# Altium PCB SG1.PcbDoc (part 2 of 3) (continued)
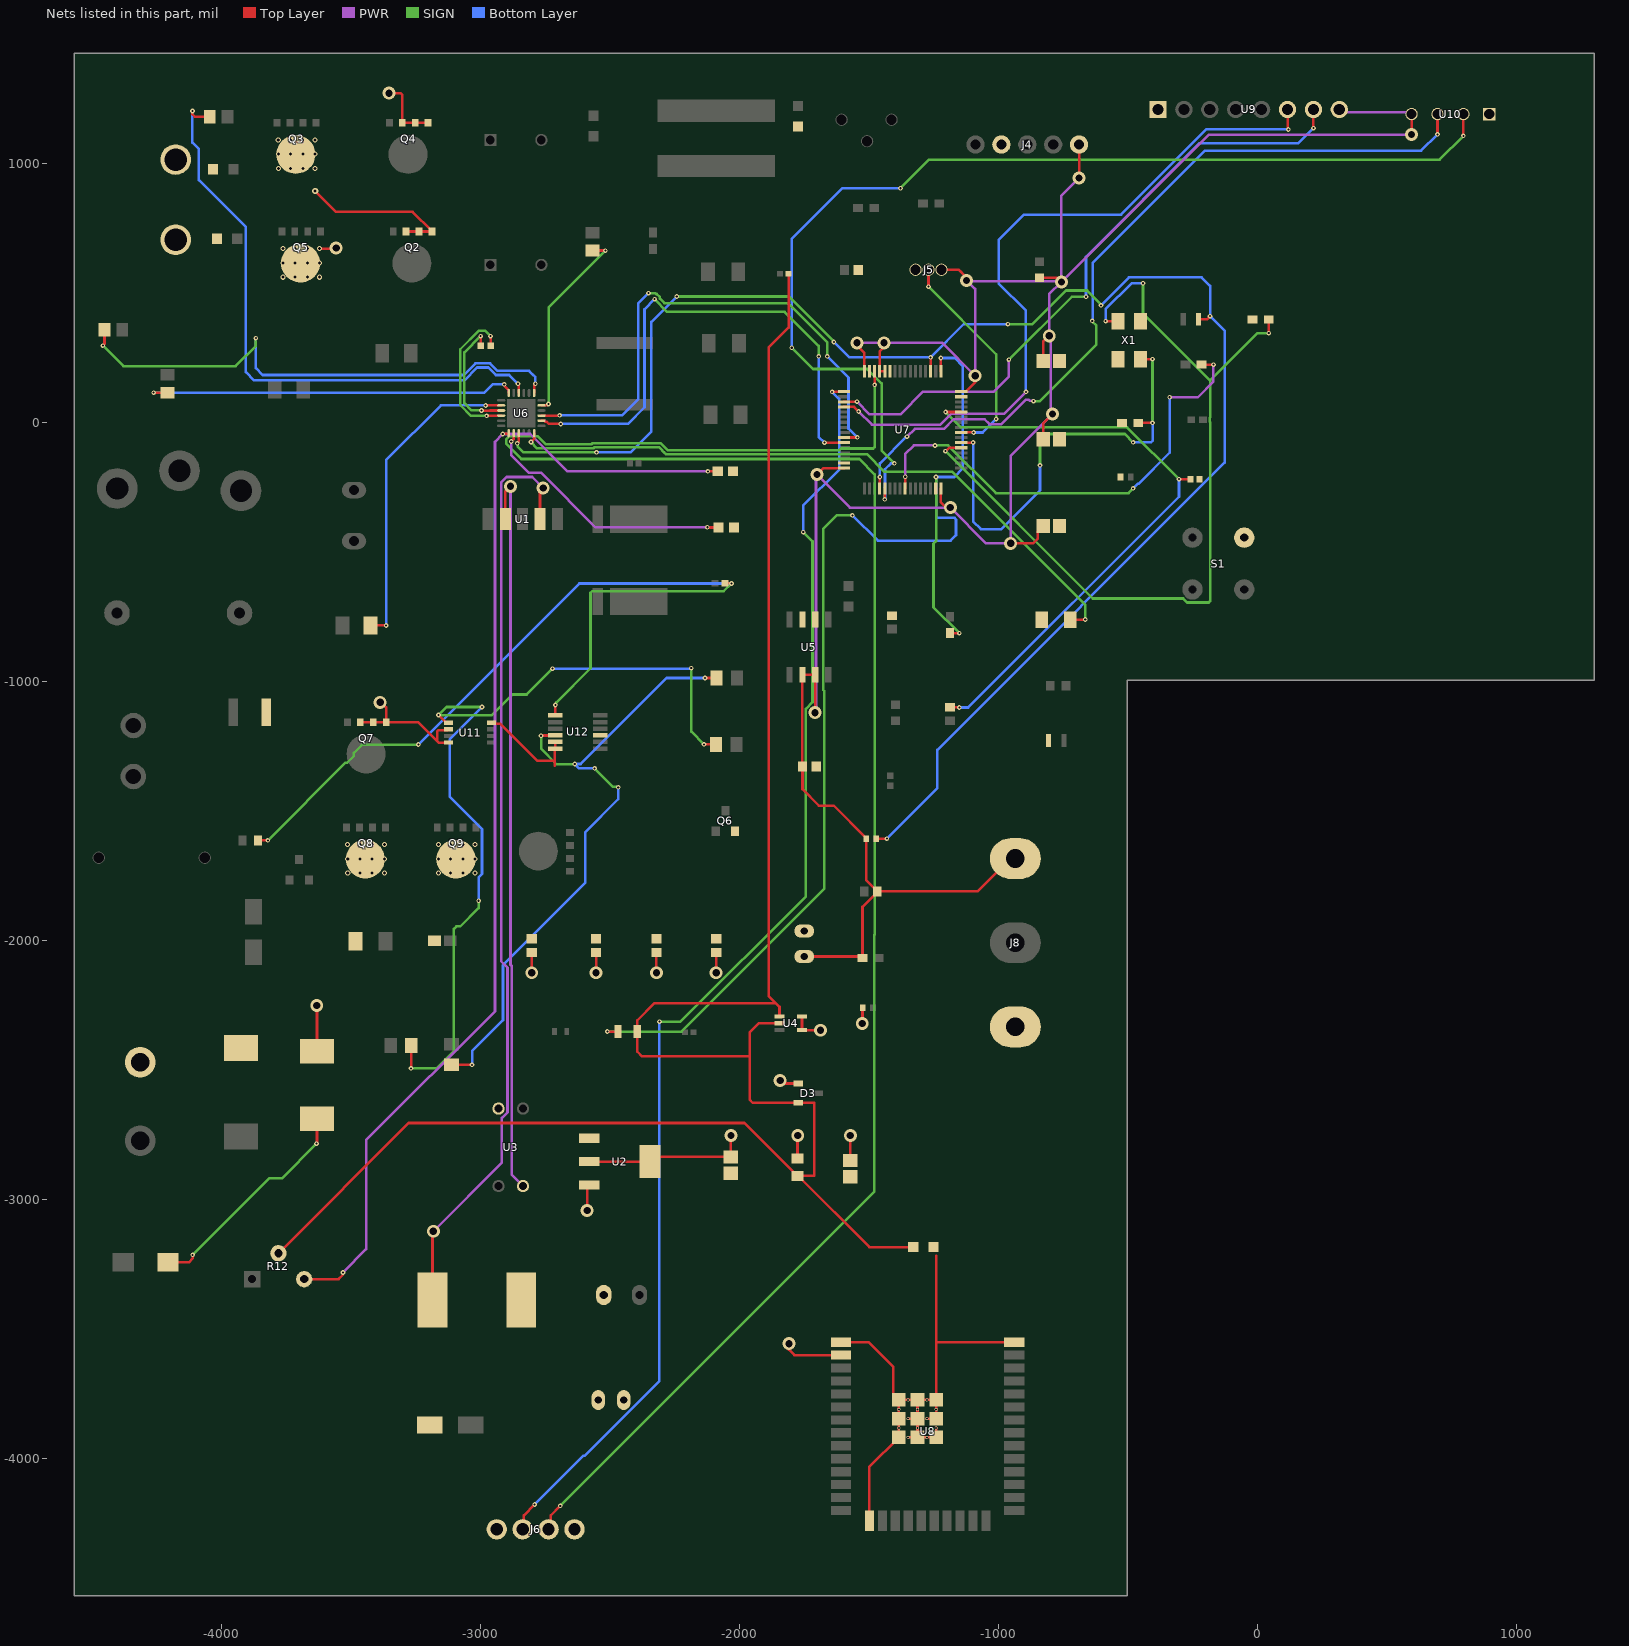
[diagram p6: the nets of this part, all layers, seen from the top]
## Part data (continued)
R2: library part CRCW040213K3FKED, "CRCW FIXED RESISTOR 0402 (1005Metric) Chip Resistor ±1% ±100ppm/C 13.3kOhm 0.063W 1/16W", Case Code (Imperial)=0402, Manufacturer=Vishay, Max Operating Temperature=155°C, Max Power Dissipation=63mW, Min Operating Temperature=-55°C, Supplier Part Number=4139115, Temperature Coefficient=100ppm/°C, Tolerance=1%, Voltage Rating=50V, Case/Package=0402, Category="Chip SMD Resistors", China RoHS=Non-Compliant, ComponentLink1Description=https://datasheet.octopart.com:443/CRCW040213K3FKED-Vishay-datasheet-175423584.pdf?src-supplier=IHS, ComponentLink1URL=https://datasheet.octopart.com:443/CRCW040213K3FKED-Vishay-datasheet-175423584.pdf?src-supplier=IHS, ComponentLink2Description=https://datasheet.octopart.com:443/CRCW040213K3FKED-Vishay-datasheet-190005712.pdf?src-supplier=TME, ComponentLink2URL=https://datasheet.octopart.com:443/CRCW040213K3FKED-Vishay-datasheet-190005712.pdf?src-supplier=TME, ComponentLink3Description=https://datasheet.octopart.com:443/CRCW040213K3FKED-Vishay-datasheet-83961561.pdf?src-supplier=Farnell, ComponentLink3URL=https://datasheet.octopart.com:443/CRCW040213K3FKED-Vishay-datasheet-83961561.pdf?src-supplier=Farnell, ComponentLink4Description=https://datasheet.octopart.com:443/CRCW040213K3FKED-Vishay-datasheet-62317933.pdf?src-supplier=Farnell, ComponentLink4URL=https://datasheet.octopart.com:443/CRCW040213K3FKED-Vishay-datasheet-62317933.pdf?src-supplier=Farnell, ComponentLink5Description=https://datasheet.octopart.com:443/CRCW040213K3FKED-Vishay-datasheet-14722531.pdf?src-supplier=Farnell, ComponentLink5URL=https://datasheet.octopart.com:443/CRCW040213K3FKED-Vishay-datasheet-14722531.pdf?src-supplier=Farnell, ComponentLink6Description=https://datasheet.octopart.com:443/CRCW040213K3FKED-Vishay-datasheet-5300368.pdf?src-supplier=Farnell, ComponentLink6URL=https://datasheet.octopart.com:443/CRCW040213K3FKED-Vishay-datasheet-5300368.pdf?src-supplier=Farnell, ComponentLink7Description=https://datasheet.octopart.com:443/CRCW040213K3FKED-Vishay-datasheet-66077789.pdf?src-supplier=Newark, ComponentLink7URL=https://datasheet.octopart.com:443/CRCW040213K3FKED-Vishay-datasheet-66077789.pdf?src-supplier=Newark, ComponentLink8Description=https://datasheet.octopart.com:443/CRCW040213K3FKED-Vishay-datasheet-11516975.pdf?src-supplier=Newark, ComponentLink8URL=https://datasheet.octopart.com:443/CRCW040213K3FKED-Vishay-datasheet-11516975.pdf?src-supplier=Newark, ComponentLink9Description=https://datasheet.octopart.com:443/CRCW040213K3FKED-Vishay-datasheet-41302739.pdf?src-supplier=Newark, ComponentLink9URL=https://datasheet.octopart.com:443/CRCW040213K3FKED-Vishay-datasheet-41302739.pdf?src-supplier=Newark, ComponentLink10Description=https://datasheet.octopart.com:443/CRCW040213K3FKED-Vishay-datasheet-33013972.pdf?src-supplier=Newark, ComponentLink10URL=https://datasheet.octopart.com:443/CRCW040213K3FKED-Vishay-datasheet-33013972.pdf?src-supplier=Newark, ComponentLink11Description=https://datasheet.octopart.com:443/CRCW040213K3FKED-Vishay-datasheet-21226360.pdf?src-supplier=Newark, ComponentLink11URL=https://datasheet.octopart.com:443/CRCW040213K3FKED-Vishay-datasheet-21226360.pdf?src-supplier=Newark, ComponentLink12Description=https://datasheet.octopart.com:443/CRCW040213K3FKED-Vishay-datasheet-10882403.pdf?src-supplier=element14+APAC, ComponentLink12URL=https://datasheet.octopart.com:443/CRCW040213K3FKED-Vishay-datasheet-10882403.pdf?src-supplier=element14+APAC, ComponentLink13Description=https://datasheet.octopart.com:443/CRCW040213K3FKED-Vishay-datasheet-137113250.pdf?src-supplier=X-ON, ComponentLink13URL=https://datasheet.octopart.com:443/CRCW040213K3FKED-Vishay-datasheet-137113250.pdf?src-supplier=X-ON, ComponentLink14Description=https://datasheet.octopart.com:443/CRCW040213K3FKED-Vishay-datasheet-62316122.pdf?src-supplier=Future+Electronics, ComponentLink14URL=https://datasheet.octopart.com:443/CRCW040213K3FKED-Vishay-datasheet-62316122.pdf?src-supplier=Future+Electronics, ComponentLink15Description=https://datasheet.octopart.com:443/CRCW040213K3FKED-Vishay-datasheet-12519820.pdf?src-supplier=Future+Electronics, ComponentLink15URL=https://datasheet.octopart.com:443/CRCW040213K3FKED-Vishay-datasheet-12519820.pdf?src-supplier=Future+Electronics, ComponentLink16Description=https://datasheet.octopart.com:443/CRCW040213K3FKED-Vishay-Dale-datasheet-47688880.pdf?src-supplier=RS+(Formerly+Allied+Electronics), ComponentLink16URL=https://datasheet.octopart.com:443/CRCW040213K3FKED-Vishay-Dale-datasheet-47688880.pdf?src-supplier=RS+(Formerly+Allied+Electronics), ComponentLink17Description=https://datasheet.octopart.com:443/CRCW040213K3FKED-Vishay-datasheet-12001583.pdf?src-supplier=RS+(Formerly+Allied+Electronics), ComponentLink17URL=https://datasheet.octopart.com:443/CRCW040213K3FKED-Vishay-datasheet-12001583.pdf?src-supplier=RS+(Formerly+Allied+Electronics), ComponentLink18Description=https://datasheet.octopart.com:443/CRCW040213K3FKED-Vishay-datasheet-5306405.pdf?src-supplier=RS+(Formerly+Allied+Electronics), ComponentLink18URL=https://datasheet.octopart.com:443/CRCW040213K3FKED-Vishay-datasheet-5306405.pdf?src-supplier=RS+(Formerly+Allied+Electronics), ComponentLink19Description=https://datasheet.octopart.com:443/CRCW040213K3FKED-Vishay-datasheet-11540273.pdf?src-supplier=Arrow+Electronics, ComponentLink19URL=https://datasheet.octopart.com:443/CRCW040213K3FKED-Vishay-datasheet-11540273.pdf?src-supplier=Arrow+Electronics, ComponentLink20Description=https://datasheet.octopart.com:443/CRCW040213K3FKED-Vishay-datasheet-8445837.pdf?src-supplier=element14, ComponentLink20URL=https://datasheet.octopart.com:443/CRCW040213K3FKED-Vishay-datasheet-8445837.pdf?src-supplier=element14, ComponentLink21Description=https://datasheet.octopart.com:443/CRCW040213K3FKED-Vishay-datasheet-5377255.pdf?src-supplier=Garrett, ComponentLink21URL=https://datasheet.octopart.com:443/CRCW040213K3FKED-Vishay-datasheet-5377255.pdf?src-supplier=Garrett, ComponentLink22Description=https://datasheet.octopart.com:443/CRCW040213K3FKED-Vishay-datasheet-148188.pdf?src-supplier=Garrett, ComponentLink22URL=https://datasheet.octopart.com:443/CRCW040213K3FKED-Vishay-datasheet-148188.pdf?src-supplier=Garrett, ComponentLink23Description=https://datasheet.octopart.com:443/CRCW040213K3FKED-Vishay-datasheet-42367.pdf?src-supplier=Garrett, ComponentLink23URL=https://datasheet.octopart.com:443/CRCW040213K3FKED-Vishay-datasheet-42367.pdf?src-supplier=Garrett, ComponentLink24Description=http://sigma.octopart.com:80/rohs_statement/Vishay-company-15.pdf?src-supplier=Compliance+Statements, ComponentLink24URL=http://sigma.octopart.com:80/rohs_statement/Vishay-company-15.pdf?src-supplier=Compliance+Statements, Composition="Thick Film", Contact Plating=Tin, Depth=500µm, Features="Automotive AEC-Q200", Height=350µm, Lead Free="Lead Free", Length=1mm, Lifecycle Status=Production, Manufacturer Part Number=CRCW040213K3FKED, Military Standard=Not, Mounting Technology="Surface Mount", Number of Terminals=2, Number of Terminations=2, Pins=2, Power Dissipation=63mW, Power Rating=63mW, Pricing="10=0,0192, 100=0,0139, 500=0,0112, 2500=0,0093, 5000=0,0091 (EUR)", Radiation Hardening=No, REACH SVHC=Yes, RoHS=Compliant, Schedule B="8533210045, 8533210045|8533210045|8533210045|8533210045|8533210045|8533210045|8533210045|8533210045|8533210045|8533210045|8533210045|8533210045|8533210045|8533210045|8533210045|8533210045|8533210045|8533210045|8533210045|8533210045|8533210045|8533210045|8533210045|85", Stock=6850, Supplier=Farnell, Termination=SMD/SMT, Voltage Rating (DC)=50V, Weight=652.039032µg, Width=500µm, Working Voltage=50V
R3 R4: library part CRCW04021K00FKED, "Res Thick Film 0402 1K Ohm 1% 1/16W ±100ppm/°C Molded SMD Paper T/R", Case Code (Imperial)=0402, Manufacturer=Vishay, Max Operating Temperature=155°C, Max Power Dissipation=63mW, Min Operating Temperature=-55°C, Supplier Part Number=1469662, Temperature Coefficient=100ppm/°C, Tolerance=1%, Voltage Rating=50V, Case/Package=0402, Category="Chip SMD Resistors", China RoHS=Non-Compliant, ComponentLink1Description=https://datasheet.octopart.com:443/CRCW04021K00FKED-Vishay-datasheet-175423584.pdf?src-supplier=IHS, ComponentLink1URL=https://datasheet.octopart.com:443/CRCW04021K00FKED-Vishay-datasheet-175423584.pdf?src-supplier=IHS, ComponentLink2Description=https://datasheet.octopart.com:443/CRCW04021K00FKED-Vishay-datasheet-83961561.pdf?src-supplier=Newark, ComponentLink2URL=https://datasheet.octopart.com:443/CRCW04021K00FKED-Vishay-datasheet-83961561.pdf?src-supplier=Newark, ComponentLink3Description=https://datasheet.octopart.com:443/CRCW04021K00FKED-Vishay-datasheet-11516975.pdf?src-supplier=Newark, ComponentLink3URL=https://datasheet.octopart.com:443/CRCW04021K00FKED-Vishay-datasheet-11516975.pdf?src-supplier=Newark, ComponentLink4Description=https://datasheet.octopart.com:443/CRCW04021K00FKED-Vishay-datasheet-183883877.pdf?src-supplier=Newark, ComponentLink4URL=https://datasheet.octopart.com:443/CRCW04021K00FKED-Vishay-datasheet-183883877.pdf?src-supplier=Newark, ComponentLink5Description=https://datasheet.octopart.com:443/CRCW04021K00FKED-Vishay-datasheet-41302739.pdf?src-supplier=Newark, ComponentLink5URL=https://datasheet.octopart.com:443/CRCW04021K00FKED-Vishay-datasheet-41302739.pdf?src-supplier=Newark, ComponentLink6Description=https://datasheet.octopart.com:443/CRCW04021K00FKED-Vishay-datasheet-66077789.pdf?src-supplier=element14+APAC, ComponentLink6URL=https://datasheet.octopart.com:443/CRCW04021K00FKED-Vishay-datasheet-66077789.pdf?src-supplier=element14+APAC, ComponentLink7Description=https://datasheet.octopart.com:443/CRCW04021K00FKED-Vishay-datasheet-62317933.pdf?src-supplier=element14+APAC, ComponentLink7URL=https://datasheet.octopart.com:443/CRCW04021K00FKED-Vishay-datasheet-62317933.pdf?src-supplier=element14+APAC, ComponentLink8Description=https://datasheet.octopart.com:443/CRCW04021K00FKED-Vishay-datasheet-14722531.pdf?src-supplier=element14+APAC, ComponentLink8URL=https://datasheet.octopart.com:443/CRCW04021K00FKED-Vishay-datasheet-14722531.pdf?src-supplier=element14+APAC, ComponentLink9Description=https://datasheet.octopart.com:443/CRCW04021K00FKED.-Vishay-datasheet-78776209.pdf?src-supplier=element14+APAC, ComponentLink9URL=https://datasheet.octopart.com:443/CRCW04021K00FKED.-Vishay-datasheet-78776209.pdf?src-supplier=element14+APAC, ComponentLink10Description=https://datasheet.octopart.com:443/CRCW04021K00FKED-Vishay-datasheet-5300368.pdf?src-supplier=Future+Electronics, ComponentLink10URL=https://datasheet.octopart.com:443/CRCW04021K00FKED-Vishay-datasheet-5300368.pdf?src-supplier=Future+Electronics, ComponentLink11Description=https://datasheet.octopart.com:443/CRCW04021K00FKED-Vishay-datasheet-62316122.pdf?src-supplier=Future+Electronics, ComponentLink11URL=https://datasheet.octopart.com:443/CRCW04021K00FKED-Vishay-datasheet-62316122.pdf?src-supplier=Future+Electronics, ComponentLink12Description=https://datasheet.octopart.com:443/CRCW04021K00FKED-Vishay-datasheet-5306405.pdf?src-supplier=RS+(Formerly+Allied+Electronics), ComponentLink12URL=https://datasheet.octopart.com:443/CRCW04021K00FKED-Vishay-datasheet-5306405.pdf?src-supplier=RS+(Formerly+Allied+Electronics), ComponentLink13Description=https://datasheet.octopart.com:443/CRCW04021K00FKED-Vishay-Dale-datasheet-47688880.pdf?src-supplier=RS+(Formerly+Allied+Electronics), ComponentLink13URL=https://datasheet.octopart.com:443/CRCW04021K00FKED-Vishay-Dale-datasheet-47688880.pdf?src-supplier=RS+(Formerly+Allied+Electronics), ComponentLink14Description=https://datasheet.octopart.com:443/CRCW04021K00FKED-Vishay-datasheet-12001583.pdf?src-supplier=RS+(Formerly+Allied+Electronics), ComponentLink14URL=https://datasheet.octopart.com:443/CRCW04021K00FKED-Vishay-datasheet-12001583.pdf?src-supplier=RS+(Formerly+Allied+Electronics), ComponentLink15Description=https://datasheet.octopart.com:443/CRCW04021K00FKED-Vishay-datasheet-62332075.pdf?src-supplier=TME, ComponentLink15URL=https://datasheet.octopart.com:443/CRCW04021K00FKED-Vishay-datasheet-62332075.pdf?src-supplier=TME, ComponentLink16Description=https://datasheet.octopart.com:443/CRCW04021K00FKED-Vishay-datasheet-13242068.pdf?src-supplier=Farnell, ComponentLink16URL=https://datasheet.octopart.com:443/CRCW04021K00FKED-Vishay-datasheet-13242068.pdf?src-supplier=Farnell, ComponentLink17Description=https://datasheet.octopart.com:443/CRCW04021K00FKED-Vishay-datasheet-13195083.pdf?src-supplier=Farnell, ComponentLink17URL=https://datasheet.octopart.com:443/CRCW04021K00FKED-Vishay-datasheet-13195083.pdf?src-supplier=Farnell, ComponentLink18Description=https://datasheet.octopart.com:443/CRCW04021K00FKED-Vishay-datasheet-13034211.pdf?src-supplier=Farnell, ComponentLink18URL=https://datasheet.octopart.com:443/CRCW04021K00FKED-Vishay-datasheet-13034211.pdf?src-supplier=Farnell, ComponentLink19Description=https://datasheet.octopart.com:443/CRCW04021K00FKED-Vishay-datasheet-12600034.pdf?src-supplier=Farnell, ComponentLink19URL=https://datasheet.octopart.com:443/CRCW04021K00FKED-Vishay-datasheet-12600034.pdf?src-supplier=Farnell, ComponentLink20Description=https://datasheet.octopart.com:443/CRCW04021K00FKED-Vishay-datasheet-12532161.pdf?src-supplier=Farnell, ComponentLink20URL=https://datasheet.octopart.com:443/CRCW04021K00FKED-Vishay-datasheet-12532161.pdf?src-supplier=Farnell, ComponentLink21Description=https://datasheet.octopart.com:443/CRCW04021K00FKED-Vishay-datasheet-12517896.pdf?src-supplier=Farnell, ComponentLink21URL=https://datasheet.octopart.com:443/CRCW04021K00FKED-Vishay-datasheet-12517896.pdf?src-supplier=Farnell, ComponentLink22Description=https://datasheet.octopart.com:443/CRCW04021K00FKED-Vishay-datasheet-12509762.pdf?src-supplier=Farnell, ComponentLink22URL=https://datasheet.octopart.com:443/CRCW04021K00FKED-Vishay-datasheet-12509762.pdf?src-supplier=Farnell, ComponentLink23Description=https://datasheet.octopart.com:443/CRCW04021K00FKED-Vishay-datasheet-10322335.pdf?src-supplier=Farnell, ComponentLink23URL=https://datasheet.octopart.com:443/CRCW04021K00FKED-Vishay-datasheet-10322335.pdf?src-supplier=Farnell, ComponentLink24Description=https://datasheet.octopart.com:443/CRCW04021K00FKED-Vishay-datasheet-8788789.pdf?src-supplier=Farnell, ComponentLink24URL=https://datasheet.octopart.com:443/CRCW04021K00FKED-Vishay-datasheet-8788789.pdf?src-supplier=Farnell, ComponentLink25Description=https://datasheet.octopart.com:443/CRCW04021K00FKED-Vishay-datasheet-8361388.pdf?src-supplier=Farnell, ComponentLink25URL=https://datasheet.octopart.com:443/CRCW04021K00FKED-Vishay-datasheet-8361388.pdf?src-supplier=Farnell, ComponentLink26Description=https://datasheet.octopart.com:443/CRCW04021K00FKED-Vishay-datasheet-546287.pdf?src-supplier=Farnell, ComponentLink26URL=https://datasheet.octopart.com:443/CRCW04021K00FKED-Vishay-datasheet-546287.pdf?src-supplier=Farnell, ComponentLink27Description=https://datasheet.octopart.com:443/CRCW04021K00FKED-Vishay-datasheet-11540273.pdf?src-supplier=Arrow+Electronics, ComponentLink27URL=https://datasheet.octopart.com:443/CRCW04021K00FKED-Vishay-datasheet-11540273.pdf?src-supplier=Arrow+Electronics, ComponentLink28Description=https://datasheet.octopart.com:443/CRCW04021K00FKED-Vishay-datasheet-8445837.pdf?src-supplier=element14, ComponentLink28URL=https://datasheet.octopart.com:443/CRCW04021K00FKED-Vishay-datasheet-8445837.pdf?src-supplier=element14, ComponentLink29Description=https://datasheet.octopart.com:443/CRCW04021K00FKED-Vishay-datasheet-5377255.pdf?src-supplier=Garrett, ComponentLink29URL=https://datasheet.octopart.com:443/CRCW04021K00FKED-Vishay-datasheet-5377255.pdf?src-supplier=Garrett, ComponentLink30Description=https://datasheet.octopart.com:443/CRCW04021K00FKED-Vishay-datasheet-148188.pdf?src-supplier=Garrett, ComponentLink30URL=https://datasheet.octopart.com:443/CRCW04021K00FKED-Vishay-datasheet-148188.pdf?src-supplier=Garrett, ComponentLink31Description=https://datasheet.octopart.com:443/CRCW04021K00FKED-Vishay-datasheet-42367.pdf?src-supplier=Garrett, ComponentLink31URL=https://datasheet.octopart.com:443/CRCW04021K00FKED-Vishay-datasheet-42367.pdf?src-supplier=Garrett, ComponentLink32Description=http://sigma.octopart.com:80/rohs_statement/Vishay-company-15.pdf?src-supplier=Compliance+Statements, ComponentLink32URL=http://sigma.octopart.com:80/rohs_statement/Vishay-company-15.pdf?src-supplier=Compliance+Statements, Composition="Thick Film", Contact Plating=Tin, Depth=500µm, Features="Automotive AEC-Q200", Height=350µm, Lead Free="Lead Free", Length=1mm, Lifecycle Status=Production, Manufacturer Part Number=CRCW04021K00FKED, Military Standard=Not, Mounting Technology="Surface Mount", Number of Terminals=2, Number of Terminations=2, Packaging="Cut Tape", Pins=2, Power Dissipation=63mW, Power Rating=63mW, Pricing="10=0,0156, 100=0,0087, 500=0,0081, 2500=0,0074, 5000=0,0058, 10000=0,0038 (EUR)", Radiation Hardening=No, REACH SVHC=Yes, RoHS=Compliant, Schedule B="8533210045, 8533210045|8533210045, 8533210045|8533210045|8533210045, 8533210045|8533210045|8533210045|8533210045", Stock=8230851, Supplier=Farnell, Termination=SMD/SMT, Voltage Rating (DC)=50V, Weight=652.039032µg, Width=500µm, Working Voltage=50V
R5 R19 R26: library part "RES 10K OHM 0603", "RES 10K %1 OHM 0603 SMD", Case Code (Metric)=1608, Case Code (Imperial)=0603, Manufacturer=Yageo, Max Operating Temperature=155°C, Max Power Dissipation=100mW, Min Operating Temperature=-55°C, Resistance=10kR, Resistance Tolerance=1%, Resistor Type="Thick Film", Supplier Part Number 1=311-10.0KHRCT-ND, Temperature Coefficient=100ppm/°C, Voltage Rating=75V, Voltage Rating (DC)=50V, Case/Package=0603, Category="Chip SMD Resistors", ComponentLink1Description=https://datasheet.ciiva.com/7660/38590-7660789.pdf?src-supplier=Element14, ComponentLink1URL=https://datasheet.ciiva.com/7660/38590-7660789.pdf?src-supplier=Element14, ComponentLink2Description=https://datasheet.ciiva.com/15189/getdatasheetpartid-409289-15189591.pdf?src-supplier=Verical, ComponentLink2URL=https://datasheet.ciiva.com/15189/getdatasheetpartid-409289-15189591.pdf?src-supplier=Verical, ComponentLink3Description=https://datasheet.ciiva.com/46440/1868787-46440891.pdf?src-supplier=Element14, ComponentLink3URL=https://datasheet.ciiva.com/46440/1868787-46440891.pdf?src-supplier=Element14, ComponentLink4Description=https://datasheet.ciiva.com/7983/443971-7983596.pdf?src-supplier=Element14, ComponentLink4URL=https://datasheet.ciiva.com/7983/443971-7983596.pdf?src-supplier=Element14, ComponentLink5Description=https://datasheet.ciiva.com/7746/1738695-7746239.pdf?src-supplier=Element14, ComponentLink5URL=https://datasheet.ciiva.com/7746/1738695-7746239.pdf?src-supplier=Element14, ComponentLink6Description=https://datasheet.ciiva.com/22747/443971-22747519.pdf?src-supplier=Element14, ComponentLink6URL=https://datasheet.ciiva.com/22747/443971-22747519.pdf?src-supplier=Element14, Construction=Rectangular, Depth=0.8mm, Designed by=BERK, Features="Moisture Resistant", Height=0.45mm, Lead Free="Lead Free", Lead Pitch=0.3mm, Length=1.6mm, Manufacturer Part Number=RC0603FR-0710KL, Military Standard=Not, Number of Pins=2, Number of Terminations=2, Packaging="Tape and Reel", Power Rating=100mW, Pricing 1="1=0,10000, 10=0,02300, 100=0,00930, 1000=0,00417, 2500=0,00362 (USD)", REACH SVHC=Unknown, RoHS=Yes, RoHS Compliant=Yes, Series=RC, Size Code=0603, Stock 1=24140601, Supplier 1=Digi-Key, Termination=SMD/SMT, Tolerance=1%, Weight=7.1E-05oz, Width=0.8mm
R8: library part ESR03EZPJ102, "RES SMD 1K OHM 5% 1/4W 0603", Device Package="0603 (1608 Metric)", Manufacturer="Rohm Semiconductor", Operating Temperature="-55°C ~ 155°C", Power (Watts)="0.25W, 1/4W", Ratings=AEC-Q200, Supplier Device Package=0603, Supplier Part Number 1=511-ESR03EZPJ102CT-ND, Temperature Coefficient=±200ppm/°C, Tolerance=±5%, ComponentLink1Description=Datasheet, ComponentLink1URL=https://www.rohm.com/datasheet/ESR01MZPF/esr-e, ComponentLink2Description="DigiKey Link", ComponentLink2URL=https://www.digikey.com/en/products/detail/rohm-semiconductor/ESR03EZPJ102/1762721, Composition="Thick Film", Features="Automotive AEC-Q200, Pulse Withstanding", Height - Seated (Max)="0.022\" (0.55mm)", lastupdated="9.02.2024 20:43:34", Lifecycle Status=Active, Minimum Order=1, Number of Terminations=2, Package / Case="0603 (1608 Metric)", Packaging=TapeAndReel, Part Number=ESR03EZPJ102, Part Status=Active, PartId=5452, price=0.01, Resistance="1 kOhms", Series=ESR, Size / Dimension="0.063\" L x 0.031\" W (1.60mm x 0.80mm)", Supplier 1=DigiKey
R9 R10 R13: library part ERJ-2RKF1002X, "Res Thick Film 0402 10K Ohm 1% 1/10W ±100ppm/°C Molded SMD Punched Carrier T/R", Case Code (Imperial)=0402, Manufacturer=Panasonic, Manufacturer Lifecycle Status=ACTIVE, Max Operating Temperature=155°C, Max Power Dissipation=100mW, Min Operating Temperature=-55°C, Supplier Part Number=2397284, Temperature Coefficient=100ppm/°C, Tolerance=1%, Voltage Rating=50V, Case/Package=0402, Category="Chip SMD Resistors", China RoHS=Non-Compliant, ComponentLink1Description=https://datasheet.octopart.com:443/ERJ-2RKF1002X-Panasonic-datasheet-82288794.pdf?src-supplier=Panasonic, ComponentLink1URL=https://datasheet.octopart.com:443/ERJ-2RKF1002X-Panasonic-datasheet-82288794.pdf?src-supplier=Panasonic, ComponentLink2Description=https://datasheet.octopart.com:443/ERJ-2RKF1002X-Panasonic-datasheet-13266541.pdf?src-supplier=RS+(Formerly+Allied+Electronics), ComponentLink2URL=https://datasheet.octopart.com:443/ERJ-2RKF1002X-Panasonic-datasheet-13266541.pdf?src-supplier=RS+(Formerly+Allied+Electronics), ComponentLink3Description=https://datasheet.octopart.com:443/ERJ-2RKF1002X-Panasonic-datasheet-10025800.pdf?src-supplier=Future+Electronics, ComponentLink3URL=https://datasheet.octopart.com:443/ERJ-2RKF1002X-Panasonic-datasheet-10025800.pdf?src-supplier=Future+Electronics, ComponentLink4Description=https://datasheet.octopart.com:443/ERJ-2RKF1002X-Panasonic-datasheet-8853621.pdf?src-supplier=Future+Electronics, ComponentLink4URL=https://datasheet.octopart.com:443/ERJ-2RKF1002X-Panasonic-datasheet-8853621.pdf?src-supplier=Future+Electronics, ComponentLink5Description=https://datasheet.octopart.com:443/ERJ-2RKF1002X-Panasonic-datasheet-5313456.pdf?src-supplier=Future+Electronics, ComponentLink5URL=https://datasheet.octopart.com:443/ERJ-2RKF1002X-Panasonic-datasheet-5313456.pdf?src-supplier=Future+Electronics, ComponentLink6Description=https://datasheet.octopart.com:443/ERJ-2RKF1002X-Panasonic-datasheet-48891056.pdf?src-supplier=Farnell, ComponentLink6URL=https://datasheet.octopart.com:443/ERJ-2RKF1002X-Panasonic-datasheet-48891056.pdf?src-supplier=Farnell, ComponentLink7Description=https://datasheet.octopart.com:443/ERJ-2RKF1002X-Panasonic-datasheet-136608610.pdf?src-supplier=Farnell, ComponentLink7URL=https://datasheet.octopart.com:443/ERJ-2RKF1002X-Panasonic-datasheet-136608610.pdf?src-supplier=Farnell, ComponentLink8Description=https://datasheet.octopart.com:443/ERJ-2RKF1002X-Panasonic-datasheet-154766169.pdf?src-supplier=Master+Electronics, ComponentLink8URL=https://datasheet.octopart.com:443/ERJ-2RKF1002X-Panasonic-datasheet-154766169.pdf?src-supplier=Master+Electronics, ComponentLink9Description=https://datasheet.octopart.com:443/ERJ2RKF1002X-Panasonic-datasheet-188592431.pdf?src-supplier=TME, ComponentLink9URL=https://datasheet.octopart.com:443/ERJ2RKF1002X-Panasonic-datasheet-188592431.pdf?src-supplier=TME, ComponentLink10Description=https://datasheet.octopart.com:443/ERJ2RKF1002X-Panasonic-datasheet-164353789.pdf?src-supplier=TME, ComponentLink10URL=https://datasheet.octopart.com:443/ERJ2RKF1002X-Panasonic-datasheet-164353789.pdf?src-supplier=TME, ComponentLink11Description=https://datasheet.octopart.com:443/ERJ2RKF1002X-Panasonic-datasheet-168681906.pdf?src-supplier=Newark, ComponentLink11URL=https://datasheet.octopart.com:443/ERJ2RKF1002X-Panasonic-datasheet-168681906.pdf?src-supplier=Newark, ComponentLink12Description=https://datasheet.octopart.com/ERJ-2RKF1002X-Panasonic-datasheet-78375410.pdf, ComponentLink12URL=https://datasheet.octopart.com/ERJ-2RKF1002X-Panasonic-datasheet-78375410.pdf, ComponentLink13Description=https://datasheet.octopart.com/Precision-Thick-Film-Chip-Resistors-Panasonic-datasheet-family-106.pdf, ComponentLink13URL=https://datasheet.octopart.com/Precision-Thick-Film-Chip-Resistors-Panasonic-datasheet-family-106.pdf, ComponentLink14Description=https://datasheet.octopart.com:443/ERJ-2RKF1002X-Panasonic-datasheet-11542829.pdf?src-supplier=Arrow+Electronics, ComponentLink14URL=https://datasheet.octopart.com:443/ERJ-2RKF1002X-Panasonic-datasheet-11542829.pdf?src-supplier=Arrow+Electronics, ComponentLink15Description=https://datasheet.octopart.com:443/ERJ-2RKF1002X-Panasonic-datasheet-7538305.pdf?src-supplier=Jameco, ComponentLink15URL=https://datasheet.octopart.com:443/ERJ-2RKF1002X-Panasonic-datasheet-7538305.pdf?src-supplier=Jameco, ComponentLink16Description=https://datasheet.octopart.com:443/ERJ-2RKF1002X-Panasonic-datasheet-118621.pdf?src-supplier=DigiKey, ComponentLink16URL=https://datasheet.octopart.com:443/ERJ-2RKF1002X-Panasonic-datasheet-118621.pdf?src-supplier=DigiKey, ComponentLink17Description=https://datasheet.octopart.com:443/ERJ-2RKF1002X-Panasonic-datasheet-41391857.pdf?src-supplier=Electro+Sonic, ComponentLink17URL=https://datasheet.octopart.com:443/ERJ-2RKF1002X-Panasonic-datasheet-41391857.pdf?src-supplier=Electro+Sonic, Composition="Thick Film", Contact Plating=Tin, Depth=500µm, Features="Automotive AEC-Q200", Height=350µm, Length=1mm, Lifecycle Status=Production, Manufacturer Part Number=ERJ-2RKF1002X, Military Standard=Not, Mounting Technology="Surface Mount", Number of Terminals=2, Number of Terminations=2, Packaging="Cut Tape", Part Series="Precision Thick Film Chip Resistors", Pins=2, Power Dissipation=100mW, Power Rating=100mW, Pricing="10000=0,005 (EUR)", Radiation Hardening=No, REACH SVHC=Yes, RoHS=Compliant, Schedule B="8533210045, 8533210045|8533210045|8533210045|8533210045|8533210045|8533210045|8533210045|8533210045|8533210045|8533210045|8533210045|8533210045|8533210045|8533210045|8533210045|8533210045|8533210045|8533210045|8533210045|8533210045|8533210045|8533210045|8533210045|85", Stock=10700000, Supplier=Farnell, Termination=SMD/SMT, Voltage Rating (DC)=50V, Width=500µm, Working Voltage=50V
R11: library part ERA-8ARW333V, "RES SMD 33K OHM 0.05% 1/4W 1206", Device Package="1206 (3216 Metric)", Manufacturer="Panasonic Electronic Components", Operating Temperature="-55°C ~ 155°C", Power (Watts)="0.25W, 1/4W", Ratings=AEC-Q200, Supplier Device Package=1206, Supplier Part Number 1=P33KCTCT-ND, Temperature Coefficient=±10ppm/°C, Tolerance=±0.05%, ComponentLink1Description=Datasheet, ComponentLink1URL=https://industrial.panasonic.com/cdbs/www-data/pdf/RDM0000/AOA0000C307.pdf, ComponentLink2Description="DigiKey Link", ComponentLink2URL=https://www.digikey.com/en/products/detail/panasonic-electronic-components/ERA-8ARW333V/5141147, Composition="Thin Film", Features="Automotive AEC-Q200", Height - Seated (Max)="0.028\" (0.70mm)", lastupdated="9.02.2024 20:53:54", Lifecycle Status=Active, Minimum Order=1, Number of Terminations=2, Package / Case="1206 (3216 Metric)", Packaging=TapeAndReel, Part Number=ERA-8ARW333V, Part Status=Active, PartId=40668, price=0.53, Resistance="33 kOhms", Series=ERA-8A, Size / Dimension="0.126\" L x 0.063\" W (3.20mm x 1.60mm)", Supplier 1=DigiKey
R12: library part 3352P-1-204LF, "Res Cermet Trimmer 200K Ohm 20% 1/2W 1(Elec)/1(Mech)Turn (8.89 X 10.67 X 5.33mm) Pin Thru-Hole Bag", Color=Black, Manufacturer=Bourns, Max Operating Temperature=125°C, Max Power Dissipation=500mW, Min Operating Temperature=-55°C, Temperature Coefficient=100ppm/°C, Tolerance=20%, Voltage Rating=250V, Category="Variable Resistors and Potentiometers", China RoHS=Non-Compliant, ComponentLink1Description=https://datasheet.octopart.com:443/3352P-1-204LF-Bourns-datasheet-182141424.pdf?src-supplier=IHS, ComponentLink1URL=https://datasheet.octopart.com:443/3352P-1-204LF-Bourns-datasheet-182141424.pdf?src-supplier=IHS, ComponentLink2Description=https://datasheet.octopart.com:443/3352P-1-204LF-Bourns-datasheet-154729576.pdf?src-supplier=Electro+Sonic, ComponentLink2URL=https://datasheet.octopart.com:443/3352P-1-204LF-Bourns-datasheet-154729576.pdf?src-supplier=Electro+Sonic, ComponentLink3Description=https://datasheet.octopart.com:443/3352P-1-204LF-Bourns-datasheet-25360171.pdf?src-supplier=Master+Electronics, ComponentLink3URL=https://datasheet.octopart.com:443/3352P-1-204LF-Bourns-datasheet-25360171.pdf?src-supplier=Master+Electronics, ComponentLink4Description=https://datasheet.octopart.com:443/3352P-1-204LF-Bourns-datasheet-3068.pdf?src-supplier=Mouser, ComponentLink4URL=https://datasheet.octopart.com:443/3352P-1-204LF-Bourns-datasheet-3068.pdf?src-supplier=Mouser, ComponentLink5Description=http://sigma.octopart.com:80/conflict_mineral_statement/Bourns-company-36.pdf?src-supplier=Compliance+Statements, ComponentLink5URL=http://sigma.octopart.com:80/conflict_mineral_statement/Bourns-company-36.pdf?src-supplier=Compliance+Statements, Composition=Cermet, Contact Plating=Tin, Diameter=8.89mm, Height=3.81mm, Lead Free="Lead Free", Lead Length=4.75mm, Length=8.89mm, Lifecycle Status=Production, Manufacturer Part Number=3352P-1-204LF, Mounting Technology="Through Hole", Number of Terminals=3, Number of Turns=1, Packaging=Bulk, Power Dissipation=500mW, Power Rating=500mW, Pricing="500=1,54167, 1000=1,49838, 2000=1,45957, 4000=1,4282, 8000=1,4208 (USD)", REACH SVHC=Yes, RoHS=Compliant, Supplier=Avnet, Supplier Part Number=3352P-1-204LF, Taper=Linear, Termination=Pin, Weight=283.495231mg, Width=8.89mm, Working Voltage=250V
R14 R15 R16 R17: library part RNCF0805DTE10R0, "RES SMD 10 OHM 0.5% 1/4W 0805", Device Package="0805 (2012 Metric)", Manufacturer="Stackpole Electronics Inc", Operating Temperature="-55°C ~ 155°C", Power (Watts)="0.25W, 1/4W", Ratings=AEC-Q200, Supplier Device Package=0805, Supplier Part Number 1=738-RNCF0805DTE10R0CT-ND, Temperature Coefficient=±25ppm/°C, Tolerance=±0.5%, ComponentLink1Description=Datasheet, ComponentLink1URL=https://www.seielect.com/catalog/sei-rncf.pdf, ComponentLink2Description="DigiKey Link", ComponentLink2URL=https://www.digikey.com/en/products/detail/stackpole-electronics-inc/RNCF0805DTE10R0/1708178, Composition="Thin Film", Features="Automotive AEC-Q200", Height - Seated (Max)="0.026\" (0.65mm)", lastupdated="8.02.2024 21:02:37", Lifecycle Status=Active, Minimum Order=1, Number of Terminations=2, Package / Case="0805 (2012 Metric)", Packaging=TapeAndReel, Part Number=RNCF0805DTE10R0, Part Status=Active, PartId=28018, price=0.01, Resistance="10 Ohms", Series=RNCF, Size / Dimension="0.079\" L x 0.049\" W (2.00mm x 1.25mm)", Supplier 1=DigiKey
R18: library part KRL11050-C-R005-F-T1, "Fixed Resistor, Metal Foil, 5W, 0.005ohm, 1% +/-Tol, 50ppm/Cel, Surface Mount, 4320", Case Code (Imperial)=4320, Manufacturer=Susumu, Max Operating Temperature=170°C, Max Power Dissipation=5W, Min Operating Temperature=-55°C, Supplier Part Number=754-KRL11050CR005FT1, Temperature Coefficient=50ppm/°C, Tolerance=1%, Case/Package=4320, Category="Chip SMD Resistors", ComponentLink1Description=https://datasheet.octopart.com:443/KRL11050-C-R005-F-T1-Susumu-datasheet-12512222.pdf?src-supplier=IHS, ComponentLink1URL=https://datasheet.octopart.com:443/KRL11050-C-R005-F-T1-Susumu-datasheet-12512222.pdf?src-supplier=IHS, Composition="Metal Foil", Height=500µm, Length=11mm, Lifecycle Status=Production, Manufacturer Part Number=KRL11050-C-R005-F-T1, Max Thickness=700µm, Mounting Technology="Surface Mount", Number of Terminals=2, Number of Terminations=2, Packaging="Tape & Reel (TR)", Power Dissipation=5W, Power Rating=5W, Pricing="1=3,22, 10=2,74, 50=2,74, 100=2,68, 1000=1,12, 10000=1,12 (USD)", REACH SVHC=Yes, RoHS=Compliant, Stock=172, Supplier=Mouser, Termination=SMD/SMT, Width=5mm
R20 R24: library part "RES 100 OHM 0603", "RES 100 %5 OHM 0603 SMD", Case Code (Metric)=1608, Case Code (Imperial)=0603, Manufacturer=Yageo, Max Operating Temperature=155°C, Max Power Dissipation=100mW, Min Operating Temperature=-55°C, Resistance=100R, Resistance Tolerance=5%, Resistor Type="Thick Film", Supplier Part Number 1=311-100GRCT-ND, Temperature Coefficient=100ppm/°C, Voltage Rating=50V, Case/Package=0603, Category="Chip SMD Resistors", ComponentLink1Description=https://datasheet.ciiva.com/15189/getdatasheetpartid-325207-15189846.pdf?src-supplier=Verical, ComponentLink1URL=https://datasheet.ciiva.com/15189/getdatasheetpartid-325207-15189846.pdf?src-supplier=Verical, ComponentLink2Description=https://datasheet.ciiva.com/8883/pyu-rc0603-51-rohs-l-4-8883047.pdf?src-supplier=Avnet, ComponentLink2URL=https://datasheet.ciiva.com/8883/pyu-rc0603-51-rohs-l-4-8883047.pdf?src-supplier=Avnet, ComponentLink3Description=https://datasheet.ciiva.com/7746/443971-7746425.pdf?src-supplier=Element14, ComponentLink3URL=https://datasheet.ciiva.com/7746/443971-7746425.pdf?src-supplier=Element14, ComponentLink4Description=https://datasheet.ciiva.com/7746/443971-7746426.pdf?src-supplier=Element14, ComponentLink4URL=https://datasheet.ciiva.com/7746/443971-7746426.pdf?src-supplier=Element14, Construction=Rectangular, Contact Plating=Tin,Matte, Depth=0.8mm, Designed by=BERK, Features="Moisture Resistant", Lead Free="Lead Free", Length=1.6mm, Manufacturer Part Number=RC0603JR-07100RL, Military Standard=Not, Number of Pins=2, Number of Terminations=2, Packaging="Tape and Reel", Power Rating=100mW, Pricing 1="1=0,10000, 10=0,01900, 100=0,00770, 1000=0,00344, 2500=0,00298 (USD)", Radiation Hardening=No, REACH SVHC=Unknown, RoHS=Yes, RoHS Compliant=Yes, Series=RC, Size Code=0603, Stock 1=4334796, Supplier 1=Digi-Key, Termination=SMD/SMT, Tolerance=5%, Voltage Rating (DC)=50V, Width=0.8mm
R21: library part ESR03EZPJ101, "RES SMD 100 OHM 5% 1/4W 0603", Device Package="0603 (1608 Metric)", Manufacturer="Rohm Semiconductor", Operating Temperature="-55°C ~ 155°C", Power (Watts)="0.25W, 1/4W", Ratings=AEC-Q200, Supplier Device Package=0603, Supplier Part Number 1=RHM100DCT-ND, Temperature Coefficient=±200ppm/°C, Tolerance=±5%, ComponentLink1Description=Datasheet, ComponentLink1URL=https://www.rohm.com/datasheet/ESR01MZPF/esr-e, ComponentLink2Description="DigiKey Link", ComponentLink2URL=https://www.digikey.com/en/products/detail/rohm-semiconductor/ESR03EZPJ101/1983452, Composition="Thick Film", Features="Automotive AEC-Q200, Pulse Withstanding", Height - Seated (Max)="0.022\" (0.55mm)", lastupdated="9.02.2024 20:43:34", Lifecycle Status=Active, Minimum Order=1, Number of Terminations=2, Package / Case="0603 (1608 Metric)", Packaging=TapeAndReel, Part Number=ESR03EZPJ101, Part Status=Active, PartId=5450, price=0.01, Resistance="100 Ohms", Series=ESR, Size / Dimension="0.063\" L x 0.031\" W (1.60mm x 0.80mm)", Supplier 1=DigiKey
R22: library part CPF0603B1K0E, "RES SMD 1K OHM 0.1% 1/16W 0603", Device Package="0603 (1608 Metric)", Manufacturer="TE Connectivity Passive Product", Operating Temperature="-55°C ~ 155°C", Power (Watts)="0.063W, 1/16W", Supplier Device Package=0603, Supplier Part Number 1=A119887CT-ND, Temperature Coefficient=±25ppm/°C, Tolerance=±0.1%, ComponentLink1Description=Datasheet, ComponentLink1URL=https://www.te.com/commerce/DocumentDelivery/DDEController?Action=srchrtrv&DocNm=1773200&DocType=DS&DocLang=English, ComponentLink2Description="DigiKey Link", ComponentLink2URL=https://www.digikey.com/en/products/detail/te-connectivity-passive-product/CPF0603B1K0E/2390473, Composition="Thin Film", Height - Seated (Max)="0.022\" (0.55mm)", lastupdated="9.02.2024 20:43:37", Lifecycle Status=Active, Minimum Order=1, Number of Terminations=2, Package / Case="0603 (1608 Metric)", Packaging=TapeAndReel, Part Number=CPF0603B1K0E, Part Status=Active, PartId=4877, price=0.09, Resistance="1 kOhms", Series="CPF, Neohm", Size / Dimension="0.061\" L x 0.031\" W (1.55mm x 0.80mm)", Supplier 1=DigiKey
R23: library part MCS0402PD1000DE500, "RES 100 OHM 0.5% 1/5W 0402", Device Package="0402 (1005 Metric)", Manufacturer="Vishay Beyschlag", Operating Temperature="-55°C ~ 175°C", Power (Watts)="0.2W, 1/5W", Ratings=AEC-Q200, Supplier Device Package=0402, Supplier Part Number 1=749-1509-1-ND, Temperature Coefficient=±25ppm/°C, Tolerance=±0.5%, ComponentLink1Description=Datasheet, ComponentLink1URL=http://www.vishay.com/docs/28916/mcxhp.pdf, ComponentLink2Description="DigiKey Link", ComponentLink2URL=http://digikey.com/product-detail/en/vishay-beyschlag/MCS0402PD1000DE500/749-1509-1-ND/7245027, Composition="Thin Film", Features="Anti-Sulfur, Automotive AEC-Q200", Height - Seated (Max)="0.015\" (0.37mm)", lastupdated="9.02.2024 20:30:24", Lifecycle Status=Active, Minimum Order=1, Number of Terminations=2, Package / Case="0402 (1005 Metric)", Packaging=TapeAndReel, Part Number=MCS0402PD1000DE500, Part Status=Active, PartId=2456, price=0.08, Resistance="100 Ohms", Series="MCS HP", Size / Dimension="0.039\" L x 0.020\" W (1.00mm x 0.50mm)", Supplier 1=DigiKey
R25: library part "RES 1K OHM 0603", "RES 1K %1 OHM 0603 SMD", Case Code (Metric)=1608, Case Code (Imperial)=0603, Manufacturer=Yageo, Manufacturer Part Number=RC0603JR-071KL, Max Operating Temperature=155°C, Min Operating Temperature=-55°C, Package Quantity=5000, Power Rating=100mW, Resistance=1kR, Resistance Tolerance=5%, Resistor Type="Thick Film", Supplier Part Number 1=311-1.0KGRCT-ND, Temperature Coefficient=100ppm/°C, Voltage Rating=50V, Body Length=1.6mm, Case/Package=0603, Category="Chip SMD Resistors", ComponentLink1Description=https://datasheet.ciiva.com/8883/pyu-rc0603-51-rohs-l-4-8883051.pdf?src-supplier=Avnet, ComponentLink1URL=https://datasheet.ciiva.com/8883/pyu-rc0603-51-rohs-l-4-8883051.pdf?src-supplier=Avnet, ComponentLink2Description=https://datasheet.ciiva.com/7746/443971-7746461.pdf?src-supplier=Element14, ComponentLink2URL=https://datasheet.ciiva.com/7746/443971-7746461.pdf?src-supplier=Element14, ComponentLink3Description=https://datasheet.ciiva.com/22747/443971-22747533.pdf?src-supplier=Element14, ComponentLink3URL=https://datasheet.ciiva.com/22747/443971-22747533.pdf?src-supplier=Element14, ComponentLink4Description=https://datasheet.ciiva.com/7746/443971-7746462.pdf?src-supplier=Element14, ComponentLink4URL=https://datasheet.ciiva.com/7746/443971-7746462.pdf?src-supplier=Element14, Construction=Rectangular, Contact Plating=Tin,Matte, Depth=0.8mm, Designed by=BERK, Height=0.45mm, Lead Free="Lead Free", Length=1.6mm, Military Standard=Not, Number of Pins=2, Packaging="Tape and Reel", Pricing 1="1=0,10000, 10=0,01900, 100=0,00770, 1000=0,00344, 2500=0,00298 (USD)", Radiation Hardening=No, REACH SVHC=Unknown, RoHS=Yes, RoHS Compliant=Yes, Series=RC, Size Code=0603, Stock 1=5112056, Supplier 1=Digi-Key, Termination=SMD/SMT, Tolerance=5%, Voltage Rating (DC)=50V, Width=0.8mm
R27 R29 R33 R34: "Res Thick Film 0805 10 Ohm 1% 0.25W(1/4W) ±200ppm/C Pad SMD Automotive T/R", Case/Package=0805, Manufacturer="Yageo Group", Max Operating Temperature=155°C, Min Operating Temperature=-55°C, Power Rating=250mW, Ratings=AEC-Q200, Temperature Coefficient=100ppm/°C, Tolerance=1%, Voltage Rating=150V, Working Voltage=500V, Category="Chip SMD Resistors", China RoHS=Non-Compliant, ComponentLink1Description=https://datasheet.octopart.com:443/SR0805FR-7W10RL-Yageo-datasheet-176402240.pdf?src-supplier=JRH+Electronics, ComponentLink1URL=https://datasheet.octopart.com:443/SR0805FR-7W10RL-Yageo-datasheet-176402240.pdf?src-supplier=JRH+Electronics, ComponentLink2Description=https://datasheet.octopart.com:443/SR0805FR-7W10RL-Yageo-datasheet-119732217.pdf?src-supplier=Upverter, ComponentLink2URL=https://datasheet.octopart.com:443/SR0805FR-7W10RL-Yageo-datasheet-119732217.pdf?src-supplier=Upverter, ComponentLink3Description=https://datasheet.octopart.com:443/SR0805FR-7W10RL-Yageo-datasheet-155675517.pdf?src-supplier=ODG+(Origin+Data+Global), ComponentLink3URL=https://datasheet.octopart.com:443/SR0805FR-7W10RL-Yageo-datasheet-155675517.pdf?src-supplier=ODG+(Origin+Data+Global), ComponentLink4Description=https://datasheet.octopart.com:443/SR0805FR-7W10RL-Yageo-Group-datasheet-184785656.pdf?src-supplier=Future+Electronics, ComponentLink4URL=https://datasheet.octopart.com:443/SR0805FR-7W10RL-Yageo-Group-datasheet-184785656.pdf?src-supplier=Future+Electronics, ComponentLink5Description=https://datasheet.octopart.com:443/SR0805FR-7W10RL-Yageo-datasheet-137701088.pdf?src-supplier=Future+Electronics, ComponentLink5URL=https://datasheet.octopart.com:443/SR0805FR-7W10RL-Yageo-datasheet-137701088.pdf?src-supplier=Future+Electronics, ComponentLink6Description=https://datasheet.octopart.com:443/SR0805FR-7W10RL-Yageo-Group-datasheet-188692432.pdf?src-supplier=Farnell, ComponentLink6URL=https://datasheet.octopart.com:443/SR0805FR-7W10RL-Yageo-Group-datasheet-188692432.pdf?src-supplier=Farnell, ComponentLink7Description=https://datasheet.octopart.com/SR0805FR-7W10RL-Yageo-datasheet-11047080.pdf, ComponentLink7URL=https://datasheet.octopart.com/SR0805FR-7W10RL-Yageo-datasheet-11047080.pdf, ComponentLink8Description=http://sigma.octopart.com:80/conflict_mineral_statement/Yageo-company-3.pdf?src-supplier=Compliance+Statements, ComponentLink8URL=http://sigma.octopart.com:80/conflict_mineral_statement/Yageo-company-3.pdf?src-supplier=Compliance+Statements, ComponentLink9Description=http://sigma.octopart.com:80/rohs_statement/Yageo-company-2.pdf?src-supplier=Compliance+Statements, ComponentLink9URL=http://sigma.octopart.com:80/rohs_statement/Yageo-company-2.pdf?src-supplier=Compliance+Statements, Composition="Thick Film", Country of Origin="Mainland China, Taiwan", Export Control Classification Number (ECCN) Code=EAR99, Harmonized Tariff Schedule (HTS) Code=8533.21.00.30, Height=500µm, Length=2mm, Lifecycle Status=Production, Manufacturer Part Number=SR0805FR-7W10RL, Mounting Technology="Surface Mount", Number of Terminals=2, Packaging="Tape & Reel", Pricing="5000=0,0587, 10000=0,0564 (USD)", REACH SVHC=Yes, RoHS=Compliant, Stock=30000, Supplier="Arrow Electronics", Supplier Part Number=SR0805FR-7W10RL, Width=1.25mm, Introduction Date=2017-06-07
R28: "Fixed Resistor, Metal Glaze/thick Film, 0.25W, 1000ohm, 500V, 1% +/-Tol, 100ppm/Cel, Surface Mount, 1206", Case/Package=1206, Manufacturer="Yageo Group", Max Operating Temperature=155°C, Max Power Dissipation=250mW, Min Operating Temperature=-55°C, Ratings=AEC-Q200, Temperature Coefficient=100ppm/°C, Tolerance=1%, Working Voltage=200V, Category="Chip SMD Resistors", China RoHS=Non-Compliant, ComponentLink1Description=https://datasheet.octopart.com:443/SR1206FR-071KL-Yageo-datasheet-176402240.pdf?src-supplier=IHS, ComponentLink1URL=https://datasheet.octopart.com:443/SR1206FR-071KL-Yageo-datasheet-176402240.pdf?src-supplier=IHS, ComponentLink2Description=https://datasheet.octopart.com/SR1206FR-071KL-Yageo-datasheet-11047080.pdf, ComponentLink2URL=https://datasheet.octopart.com/SR1206FR-071KL-Yageo-datasheet-11047080.pdf, ComponentLink3Description=http://sigma.octopart.com:80/conflict_mineral_statement/Yageo-company-3.pdf?src-supplier=Compliance+Statements, ComponentLink3URL=http://sigma.octopart.com:80/conflict_mineral_statement/Yageo-company-3.pdf?src-supplier=Compliance+Statements, ComponentLink4Description=http://sigma.octopart.com:80/rohs_statement/Yageo-company-2.pdf?src-supplier=Compliance+Statements, ComponentLink4URL=http://sigma.octopart.com:80/rohs_statement/Yageo-company-2.pdf?src-supplier=Compliance+Statements, Composition="Thick Film", Country of Origin="Mainland China, Taiwan", Export Control Classification Number (ECCN) Code=EAR99, Features="Automotive AEC-Q200", Harmonized Tariff Schedule (HTS) Code=8533.21.00.30, Height=550µm, Length=3.1mm, Lifecycle Status=Production, Manufacturer Part Number=SR1206FR-071KL, Mounting Technology="Surface Mount", Number of Terminals=2, Number of Terminations=2, Packaging="Tape & Reel", Power Rating=250mW, Pricing="5000=0,02852, 10000=0,02837, 20000=0,02823, 30000=0,02808, 40000=0,02794 (USD)", REACH SVHC=Yes, RoHS=Compliant, Supplier=Avnet, Supplier Part Number=SR1206FR-071KL, Width=1.6mm, Introduction Date=2015-12-01